# Altium PCB BMS029B.PcbDoc (part 2 of 4) (continued)
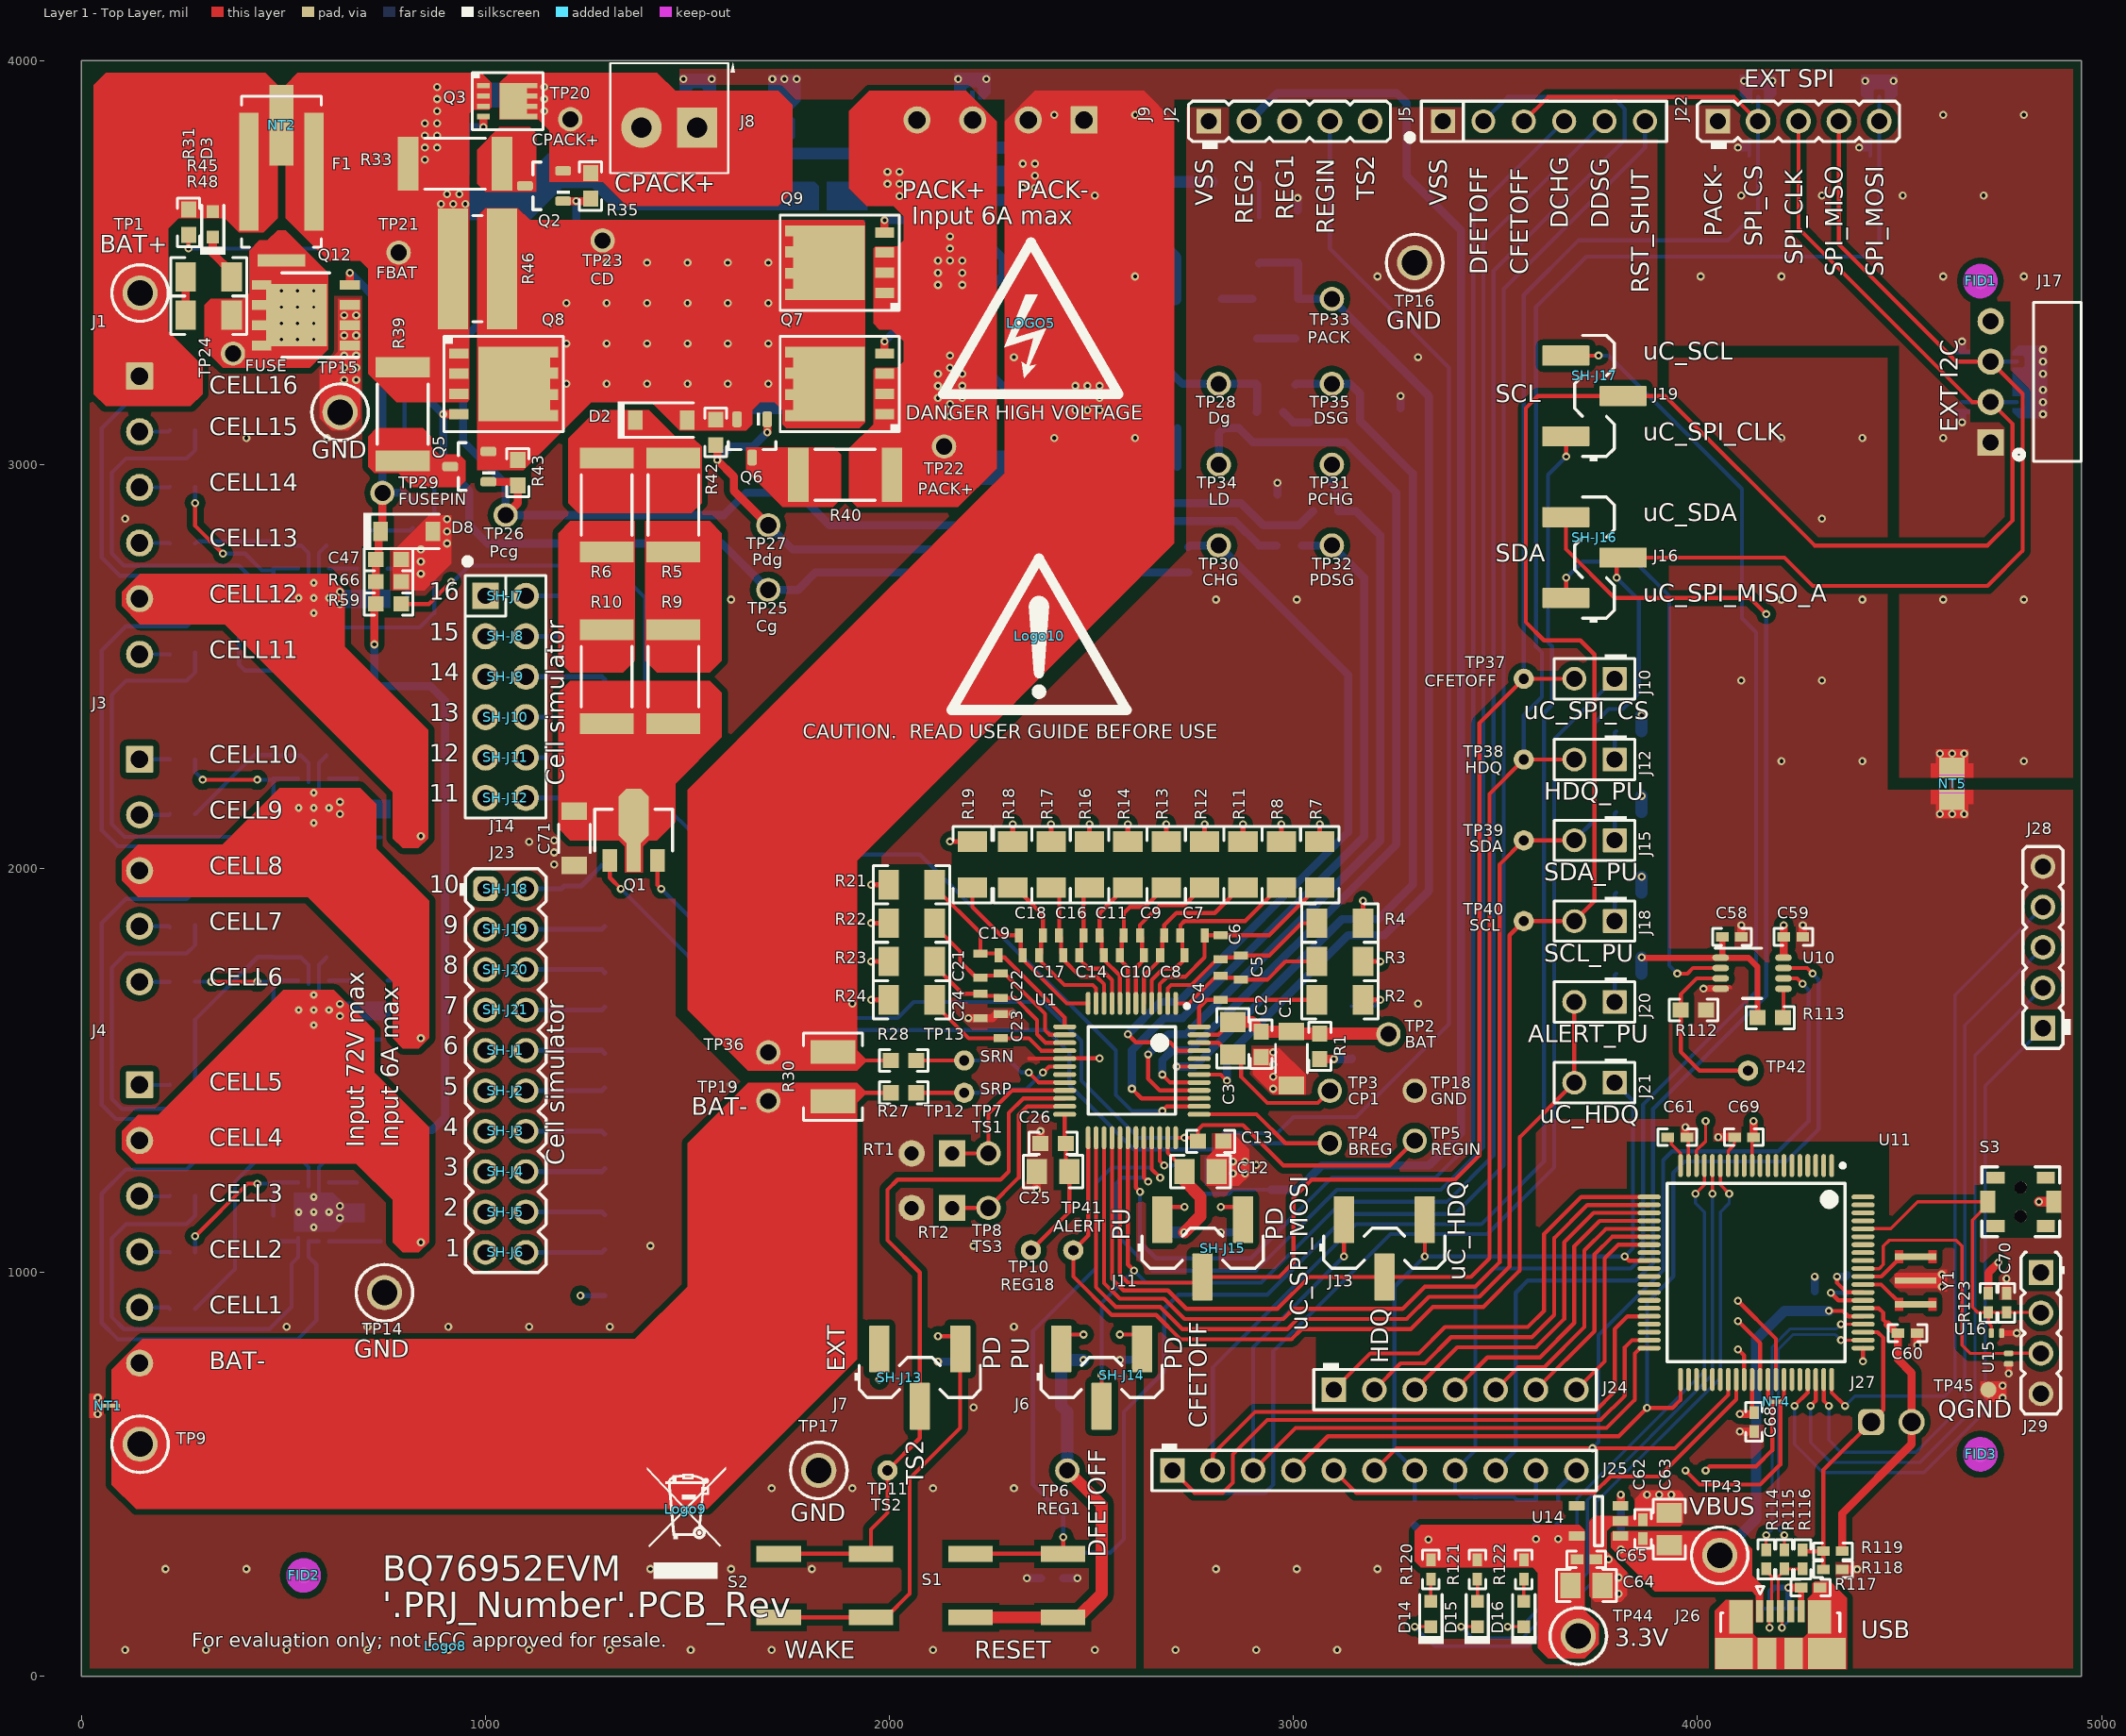
[diagram p0: Layer 1 - Top Layer view]
## Part data (continued)
RT1 RT2: library part CMP-0002341-2, "Thermistor NTC, 10.0k ohm, 1%, Disc, 5x8.4 mm", Manufacturer="SEMITEC Corporation", PartNumber=103AT-2, Power_W=10mW, Supplier Part Number 1=954-103AT-2, Tolerance_%=1%, ComponentLink1Description="Datasheet link", ComponentLink1URL=http://www.semitec.co.jp/english2/products/pdf/AT_Thermistor.pdf, CompType=ThermistorNTC, LatestRevisionDate=09/03/2017, MountType=TH, PackageReference="Disc, 5x8.4 mm", Published=22/09/2009, Publisher="Texas Instruments", RoHS=Y, Series=AT, Supplier 1=Mouser, SymbolVersion=2008-11-25, TaMax_C=110°C, TaMin_C=-50°C, U/M=EA
S1 S2: library part CMP-0002132-2, "Switch, Tactile, SPST-NO, SMT", CurrentRating_mA=50A, Manufacturer="C&K Components", PartNumber=KST221JLFS, Supplier Part Number 1=401-1848-1-ND, Circuit=SPST-NO, ComponentLink1Description="Datasheet URL", ComponentLink1URL=http://www.ck-components.com/index.php?module=media&action=Display&cmpref=14404&lang=en&width=&height=&format=&alt=, CompType=Switch, Green_EU RoHS=Passed, Green_EU RoHS-2=Passed, Green_Lifecycle=Active, Green_REACh=Passed, LatestRevisionDate=2017-03-09, MountType=SMT, Orientation="Top Actuated", PackageReference="Switch, 6.2X5X6.2 mm", PositionCount=1, Publisher="Texas Instruments", RoHS=Y, Supplier 1=Digi-Key, Supplier 2=Mouser, Supplier Part Number 2=611-KST221JLFS, SwitchFunction=Off-Mom, SymbolCreator=a0799628, SymbolVersion=2013-06-10, VDC_V=32V
S3: library part CMP-0002246-2, "Switch, SPST-NO,  Off-Mom, 0.05A, 12VDC, SMD", CurrentRating_mA=50A, Manufacturer="C&K Components", Supplier Part Number 1=CKN10505CT-ND, Circuit=SPST-NO, ComponentLink1Description="Datasheet Link", ComponentLink1URL=http://www.ck-components.com/80184/pts820_4mar13.pdf/, CompType=Switch, LatestRevisionDate=2017-03-09, MountType=SMT, Orientation="Top Actuated", PackageReference=3.9x2.9mm, PartNumber="PTS820 J20M SMTR LFS", PositionCount=1, Publisher="Texas Instruments", RoHS=Y, Supplier 1=Digi-Key, Supplier 2=Mouser, Supplier Part Number 2=611-PTS820J20MSMTR, SwitchFunction=Off-Mom, VDC_V=12V
SH-J1 SH-J2 SH-J3 SH-J4 SH-J5 SH-J6 SH-J7 SH-J8 SH-J9 SH-J10 SH-J11 SH-J12 SH-J13 SH-J14 SH-J15 SH-J16 SH-J17 SH-J18 SH-J19 SH-J20 SH-J21: library part CMP-0003623-3, "Shunt, 100mil, Gold plated, Black", Alternate Manufacturer=3M, Alternate PartNumber=969102-0000-DA, Manufacturer=Samtec, Supplier Part Number 1=SAM8858-ND, ClassName=Shunt, ComponentLink1Description="Datasheet Link", ComponentLink1URL=http://www.samtec.com/ftppub/pdf/SNT.PDF, CompType=Shunt, MountType=N/A, PackageReference=Shunt, PartNumber=SNT-100-BK-G, RoHS=Y, Supplier 1=Digi-Key
TP1: library part CMP-0055147-1, "Test Point, Multipurpose, Red, TH", Color=Red, Manufacturer=Keystone, PartNumber=5010, Supplier Part Number 1=36-5010-ND, CNHeader=FALSE, ComponentLink1Description="Datasheet URL", ComponentLink1URL=http://www.keyelco.com/userAssets/file/M60-2p60.pdf, CompType="Test Point", ContactFinish=Silver, CT=TRUE, Green_EU RoHS=Passed, Green_EU RoHS-2=Incomplete, Green_Lifecycle=Active, Green_REACh=Passed, LatestRevisionDate=26/05/2017, MountType=TH, PackageReference="Red Multipurpose Testpoint", Publisher="Texas Instruments", RoHS=Y, Supplier 1=Digi-Key, Supplier 2=Mouser, Supplier Part Number 2=534-5010
TP2 TP3 TP4 TP5 TP6 TP7 TP8 TP10 TP11 TP12 TP13 TP18 TP19 TP20 TP21 TP22 TP23 TP24 TP25 TP26 TP27 TP28 TP29 TP30 TP31 TP32 TP33 TP34 TP35 TP36 TP37 TP38 TP39 TP40 TP41 TP42: library part CMP-0078143-2, "TEST POINT.  No entry in BOM.", Manufacturer=N/A, CompType=Testpoint, PackageReference=N/A, PartNumber=N/A
TP9: library part CMP-0055148-1, "Test Point, Multipurpose, Black, TH", Color=Black, Manufacturer=Keystone, PartNumber=5011, Supplier Part Number 1=36-5011-ND, CNHeader=FALSE, ComponentLink1Description="Datasheet URL", ComponentLink1URL=http://www.keyelco.com/userAssets/file/M60-2p60.pdf, CompType="Test Point", ContactFinish=Silver, CT=TRUE, Green_EU RoHS=Passed, Green_EU RoHS-2=Incomplete, Green_Lifecycle=Active, Green_REACh=Passed, LatestRevisionDate=26/05/2017, MountType=TH, PackageReference="Black Multipurpose Testpoint", Publisher="Texas Instruments", RoHS=Y, Supplier 1=Digi-Key, Supplier 2=Mouser, Supplier Part Number 2=534-5011
TP14 TP15 TP16 TP17: library part CMP-0055143-1, "Test Point, Compact, Black, TH", Color=Black, Manufacturer=Keystone, Supplier Part Number 1=36-5006-ND, CNHeader=FALSE, ComponentLink1Description="Datasheet URL", ComponentLink1URL=http://www.keyelco.com/userAssets/file/M60-2p60.pdf, CompType="Test Point", ContactFinish=Silver, CT=TRUE, Green_EU RoHS=Passed, Green_EU RoHS-2=Incomplete, Green_Lifecycle=Active, Green_REACh=Passed, LatestRevisionDate=26/05/2017, MountType=TH, PackageReference="Black Compact Testpoint", PartNumber=5006, Publisher="Texas Instruments", RoHS=Y, Supplier 1=Digi-Key, Supplier 2=Mouser, Supplier Part Number 2=534-5006, SymbolVersion=2008-04-04
TP43 TP44: library part CMP-0055142-1, "Test Point, Compact, Red, TH", Color=Red, Manufacturer=Keystone, Supplier Part Number 1=36-5005-ND, CNHeader=FALSE, ComponentLink1Description="Datasheet URL", ComponentLink1URL=http://www.keyelco.com/userAssets/file/M60-2p60.pdf, CompType="Test Point", ContactFinish=Silver, CT=TRUE, Green_EU RoHS=Passed, Green_EU RoHS-2=Passed, Green_Lifecycle=Active, Green_REACh=Passed, LatestRevisionDate=26/05/2017, MountType=TH, PackageReference="Red Compact Testpoint", PartNumber=5005, Publisher="Texas Instruments", RoHS=Y, Supplier 1=Digi-Key, Supplier 2=Mouser, Supplier Part Number 2=534-5005, SymbolVersion=2008-04-04, U/M=EA
TP45: library part CMP-0003825-1, "1mm Test Point, SMT", Manufacturer=Any, PartNumber=TP_SM_1MM, ComponentLink1Description="Datasheet Link", ComponentLink1URL=https://sps06.itg.ti.com/sites/KMS/crossdivteams/altium/docs/ComponentDatasheets/PROBE_TEST_POINT.png, CompType="Test Point", Key=TP_SM_1MM, LatestRevisionDate=2017-03-09, MountType=SMT, PackageReference="1mm Test Point, SMT", Publisher="Texas Instruments", SymbolVersion=2010-10-20
U1: library part CMP-0084229-1, "Multicell Battery Monitor and Protection Family, PFB0048A (TQFP-48)", Alternate Manufacturer="Texas Instruments", Alternate PartNumber=bq76952PFBR, AEC Category=Q200, AEC Qualified=N, ComponentLink1Description="Datasheet Link", ComponentLink1URL=http://www.ti.com/lit/ds/symlink/bq76952.pdf, ComponentLink2Description="Product Folder", ComponentLink2URL=http://www.ti.com/product/bq76952, ComponentLink3Description="Online Datasheet", ComponentLink3URL=http://www.ti.com/product/bq76952/datasheet, CompType=IC, Manufacturer="Texas Instruments", MountType=SMT, PackageDescription=TQFP-48, PackageReference=PFB0048A, PartNumber=bq76952PFBT, SizeArea_mm2=81, SizeAreaWB_mm2=121, SizeX_mm=9, SizeY_mm=9, SizeZ_mm=1.2
U2 U3 U4 U5: library part CMP-0078902-2, "Family 2-5S Overvoltage Protector with Internal Delay Timer, DPJ0008A (WSON-8)", Alternate Manufacturer="Texas Instruments", Alternate PartNumber=BQ771807DPJT, AEC Category=Q200, AEC Qualified=N, ComponentLink1Description="Datasheet Link", ComponentLink1URL=http://www.ti.com/lit/ds/symlink/bq7718.pdf, ComponentLink2Description="Product Folder", ComponentLink2URL=http://www.ti.com/product/bq7718, CompType=IC, Manufacturer="Texas Instruments", MountType=SMT, PackageDescription=WSON-8, PackageReference=DPJ0008A, PartNumber=BQ771807DPJR, RoHS=Y, SizeArea_mm2=12, SizeAreaWB_mm2=20, SizeX_mm=4, SizeY_mm=3, SizeZ_mm=0.8
U6 U7 U8 U9: library part CMP-0043093-3, "Single-Channel ESD in 0402 Package With 10pF Capacitance and 6V Breakdown, DPY0002A (X1SON-2)", Alternate Manufacturer="Texas Instruments", Alternate PartNumber=TPD1E10B06DPYT, Breakdown Voltage(Min)(V)=6, IO Capacitance(Typ)(pF)=10, Operating Temperature Range="-40 to 125 C", Rating=Catalog, AEC Category=Q200, AEC Qualified=N, ComponentLink1Description="Datasheet Link", ComponentLink1URL=http://www.ti.com/lit/ds/symlink/tpd1e10b06.pdf, ComponentLink2Description="Product Folder", ComponentLink2URL=http://www.ti.com/product/tpd1e10b06, ComponentLink3Description="Online Datasheet", ComponentLink3URL=http://www.ti.com/product/tpd1e10b06/datasheet, CompType=IC, Eco-Plan=TBD, Green_EU RoHS=Passed, Green_EU RoHS-2=Passed, Green_Lifecycle=Active, Green_REACh=Passed, IEC 61000-4-2 Air-Gap(+/- kV)=30, IEC 61000-4-2 Contact(+/- kV)=30, IO Leakage Current(nA)=10, Manufacturer="Texas Instruments", MountType=SMT, PackageDescription=X1SON-2, PackageReference=DPY0002A, PartNumber=TPD1E10B06DPYR, RoHS=Y, SizeArea_mm2=0.6, SizeAreaWB_mm2=3.2, SizeX_mm=1.0, SizeY_mm=0.6, SizeZ_mm=0.45
U10: library part CMP-0051048-2, "Dual-Bit Dual Supply Transceiver with Configurable Voltage Translation and 3-State Outputs, DCT0008A, LARGE T&R", F @ Nom Voltage(Max)(Mhz)=150, Generic Part Number=SN74LVC2T45, ICC @ Nom Voltage(Max)(mA)=0.004, Manufacturer="Texas Instruments", Operating Temperature Range(C)="-40 to 85", Rating=Military, tpd @ Nom Voltage(Max)(ns)=17.7,10.3,8.3,7.2, Voltage(Nom)(V)=1.8,2.5,3.3,5, 3-State Output=Yes, AEC Category=Q200, AEC Qualified=N, Bits(#)=2, ComponentLink1Description="Datasheet Link", ComponentLink1URL=http://www.ti.com/lit/ds/symlink/sn74lvc2t45.pdf, ComponentLink2Description="Product Folder", ComponentLink2URL=http://www.ti.com/product/sn74lvc2t45, CompType=IC, DatasheetVersion=SCES516J, Input Type=CMOS/TTL, Logic=True, MountType=SMT, Output Drive (IOL/IOH)(Max)(mA)=32/-32, Output Type=CMOS, PackageDescription=SSOP-8, PackageReference=DCT0008A, PartNumber=SN74LVC2T45DCTR, RoHS=Y, Schmitt Trigger=No, SizeArea_mm2=11.2, SizeAreaWB_mm2=19, SizeX_mm=4, SizeY_mm=2.8, SizeZ_mm=1.3, Sub-Family="Dual Supply Translator", Technology Family=LVC, VCC(Max)(V)=5.5, VCC(Min)(V)=1.65
U11: "25 MHz Mixed Signal Microcontroller with 128 KB Flash, 8192 B SRAM and 63 GPIOs, -40 to 85 degC, 80-pin QFP (PN), Green (RoHS & no Sb/Br)", Frequency(MHz)=25, Manufacturer="Texas Instruments", PartNumber=MSP430F5529IPN, Temp Sensor=Yes, ADC="12-bit SAR", ADC Channels=16, Brown Out Reset=Yes, Code_JEDEC=MS-018, Comparators=Yes, ComponentLink1Description="Manufacturer URL", ComponentLink1URL=http://www.ti.com/, ComponentLink2Description=Datasheet, ComponentLink2URL=http://www.ti.com/general/docs/lit/getliterature.tsp?genericPartNumber=MSP430F5529&fileType=pdf, ComponentLink3Description="Package Specification", ComponentLink3URL=http://www.ti.com/lit/ml/mtqf010a/mtqf010a.pdf, DatasheetVersion=SLAS590I, DMA=3, Eco-Plan="Green (RoHS & no Sb/Br)", Flash(KB)=128, GPIO=63, Mounting Technology="Surface Mount", Multiplier=32x32, PackageDescription="80-Pin Plastic Quad Flat Pack, Body 12 x 12 mm, Pitch 0.5 mm", PackageReference=PN0080A, Real-Time Clock=Yes, SRAM(B)=8192, SubFamily="5 Series", SVS=Yes, Timers - 16-bit=4, USB=1, USCI_A (UART/LIN/IrDA/SPI)=2, USCI_B (I2C & SPI)=2, Watchdog=Yes
U12 U13 U15 U16: library part CMP-0043094-3, "Single-Channel ESD in 0402 Package With 10pF Capacitance and 6V Breakdown, DPY0002A (X1SON-2)", Alternate Manufacturer="Texas Instruments", Alternate PartNumber=TPD1E10B06DPYR, Breakdown Voltage(Min)(V)=6, IO Capacitance(Typ)(pF)=10, Operating Temperature Range="-40 to 125 C", Rating=Catalog, AEC Category=Q200, AEC Qualified=N, ComponentLink1Description="Datasheet Link", ComponentLink1URL=http://www.ti.com/lit/ds/symlink/tpd1e10b06.pdf, ComponentLink2Description="Product Folder", ComponentLink2URL=http://www.ti.com/product/tpd1e10b06, ComponentLink3Description="Online Datasheet", ComponentLink3URL=http://www.ti.com/product/tpd1e10b06/datasheet, CompType=IC, Eco-Plan=TBD, IEC 61000-4-2 Air-Gap(+/- kV)=30, IEC 61000-4-2 Contact(+/- kV)=30, IO Leakage Current(nA)=10, Manufacturer="Texas Instruments", MountType=SMT, PackageDescription=X1SON-2, PackageReference=DPY0002A, PartNumber=TPD1E10B06DPYT, RoHS=Y, SizeArea_mm2=0.6, SizeAreaWB_mm2=3.2, SizeX_mm=1.0, SizeY_mm=0.6, SizeZ_mm=0.45
U14: "Single Output LDO, 150 mA, Fixed 3.3 V Output, 2.7 to 10 V Input, with Low IQ, 5-pin SOT-23 (DBV), -40 to 125 degC, Green (RoHS & no Sb/Br)", Manufacturer="Texas Instruments", PartNumber=TPS76333DBVR, Accuracy(%)=3, Code_JEDEC=MO-178, ComponentLink1Description="Manufacturer URL", ComponentLink1URL=http://www.ti.com/, ComponentLink2Description=Datasheet, ComponentLink2URL=http://www.ti.com/general/docs/lit/getliterature.tsp?genericPartNumber=TPS76333&fileType=pdf, ComponentLink3Description="Package Specification", ComponentLink3URL=http://www.ti.com/litv/pdf/mpds018i, DatasheetVersion=SLVS181H, Eco-Plan="Green (RoHS & no Sb/Br)", Fixed Output Options(V)=3.3, Iout(Max)(A)=0.15, Iq(Typ)(mA)=0.08, Mounting Technology="Surface Mount", PackageDescription="5-Pin Plastic Small Outline, Body 1.60 Ã— 2.90 mm, Pitch 0.95 mm", PackageReference=DBV0005A, PackageVersion=4073253-4/K, SubFamily="Single Channel LDO", Vdo(Typ)(mV)=300, Vin(Max)(V)=10, Vin(Min)(V)=2.7, Vout Adj(Max)(V)=3.3, Vout Adj(Min)(V)=3.3
Y1: library part CMP-0084387-1, "Resonator, 4 MHz, 39 pF, AEC-Q200 Grade 1, SMD", Frequency_Fixed=4MHz, Load Capacitance="39 pF", Manufacturer=MuRata, AEC Category=Q200, AEC Grade=1, AEC Qualified=Y, ComponentLink1Description="Datasheet Link", ComponentLink1URL=https://www.murata.com/~/media/webrenewal/support/library/catalog/products/timingdevice/ceralock/p16e.ashx, CompType=Resonator, MountType=SMT, PackageReference="4.5x1.2x2 mm", PartNumber=CSTCR4M00G55B-R0, RoHS=Y, SizeArea_mm2=9, SizeAreaWB_mm2=16.5, SizeX_mm=4.5, SizeY_mm=2, SizeZ_mm=1.2, TaMax_C=125°C, TaMin_C=-40°C
ZZ1: library part CMP-0077236-1, ClassName=AssemblyNote, CompType=AssemblyNote, Key=AssemblyNote, LatestRevisionDate=2017-08-10, Publisher="Texas Instruments"
ZZ2: library part CMP-0077237-1, ClassName=AssemblyNote, CompType=AssemblyNote, Key=AssemblyNote, LatestRevisionDate=2017-08-10, Publisher="Texas Instruments"
ZZ3: library part CMP-0077238-1, ClassName=AssemblyNote, CompType=AssemblyNote, Key=AssemblyNote, LatestRevisionDate=2017-08-10, Publisher="Texas Instruments"

## Via types
v1: diameter 20, hole 10, Layer 1 - Top Layer to Layer 4 - Bottom Layer, tented both sides, 376 vias
v2: diameter 19.68, hole 7.87, Layer 1 - Top Layer to Layer 4 - Bottom Layer, tented both sides, 32 vias

## Nets (pads, with @x,y where several pads share a name; then routed paths per layer and width w, separated by ;. In a path a pad name is that pad's centre, name@x,y a point inside that pad or via, vN(x,y) a via of type N, cw(c..) or ccw(c..) an arc to the next point about the centre after c; other vN are vias at no path point)
1P: J4.5 J23.19 R23.1 R86.1 | length 2446.3
  Layer 1 - Top Layer w12: v1(1955,1770) R23.1@1997.91,1770
  Layer 3 - Signal w10: J4.5@143.94,913.31 573.31,913.31 710,1050 J23.19@1000,1050
  Layer 3 - Signal w12: J23.19@1000,1050 1050,1000 1390,1000 1795,1405 1795,1610 v1(1955,1770)
  Layer 4 - Bottom Layer w10: J4.5@143.94,913.31 215.2,913.31 R86.1@218.5,910
2P: J4.4 J23.17 R22.1 R85.1 | length 2307.5
  Layer 1 - Top Layer w12: v1(1955,1865) R22.1@1997.91,1865
  Layer 3 - Signal w10: J4.4@143.94,1051.1 634.8,1051.1 733.7,1150 J23.17@1000,1150 1050,1100 1140,1100 1905,1865 v1(1955,1865)
  Layer 4 - Bottom Layer w10: J4.4@143.94,1051.1 217.4,1051.1 R85.1@218.5,1050
3.3V: C59.2 C64.1 C65.1 C68.1 C69.1 R109.1 R110.1 R111.1 R120.2 R121.2 R122.2 R123.2 TP44.1 U10.8 U11.11 U11.18 U11.50 U14.5 | length 630.6
  Layer 1 - Top Layer w8: U11.18@3997.36,1264.76 3997.36,1302.36 4020,1325 v1(4020,1375) ; U11.11@4135.16,1264.76 4135.16,1331.54 C69.1@4138.62,1335
  Layer 1 - Top Layer w10: U11.50@4135.16,735.24 4135.16,658.46 C68.1@4140,653.62
  Layer 1 - Top Layer w20: v1(4105,650) 4136.38,650 C68.1@4140,653.62 ; C69.1@4138.62,1335 v1(4138.62,1375) ; U10.8@4213.38,1783 C59.2@4213.38,1831 v1(4213.38,1860) ; R123.2@4720,948.62 4720,1000 v1(4745,1025)
  Layer 4 - Bottom Layer w20: R111.1@3300,373.5 v1(3334.25,339.25) ; v1(3600,340) R110.1@3600,373.5 ; v1(3655,340) R109.1@3655,373.5
3P: J4.3 J23.15 R21.1 R84.1 | length 2289.8
  Layer 1 - Top Layer w12: v1(1955,1960) R21.1@1997.91,1960
  Layer 3 - Signal w10: J4.3@143.94,1188.9 496.06,1188.9 557.17,1250 J23.15@1000,1250 1050,1200 1140,1200 1900,1960 v1(1955,1960)
  Layer 4 - Bottom Layer w10: J4.3@143.94,1188.9 217.4,1188.9 R84.1@218.5,1190
4P: C49.1 C52.1 J4.2 J23.13 R19.1 R79.1 R81.1 R83.1 U4.7 U4.9 | length 2661
  Layer 1 - Top Layer w12: v1(2150,2067.09) R19.1@2205,2067.09
  Layer 3 - Signal w10: J4.2@143.94,1326.69 491.69,1326.69 515,1350 J23.13@1000,1350 1050,1300 1138.74,1300 1905.83,2067.09 v1(2150,2067.09)
  Layer 4 - Bottom Layer w10: J4.2@143.94,1326.69 216.81,1326.69 R83.1@218.5,1325 ; v2(575,1650) 587.8,1662.8 U4.7@587.8,1722.83 587.8,1761.3 C52.1@606.5,1780
  Layer 4 - Bottom Layer w20: R81.1@806.5,1075 v1(840,1075)
  other v1: 640,1635 640,1665
  other v2: 575,1612.6 537.6,1650 612.4,1650 575,1687.4
5P: J4.1 J23.11 R18.1 R78.1 | length 2636.8
  Layer 1 - Top Layer w12: R18.1@2305,2067.09 v1(2305,2110)
  Layer 3 - Signal w10: J4.1@143.94,1464.49 490.51,1464.49 505,1450 J23.11@1000,1450 1050,1400 1141.26,1400 1896.26,2155 2260,2155 v1(2305,2110)
  Layer 4 - Bottom Layer w10: J4.1@143.94,1464.49 217.99,1464.49 R78.1@218.5,1465
6P: J3.5 J23.9 R17.1 R75.1 | length 2779.5
  Layer 1 - Top Layer w12: R17.1@2400,2067.09 v1(2400,2110)
  Layer 3 - Signal w10: J3.5@143.94,1719.41 313.35,1550 J23.9@1000,1550 1050,1500 1140,1500 1825,2185 2325,2185 v1(2400,2110)
  Layer 4 - Bottom Layer w10: J3.5@143.94,1719.41 217.91,1719.41 R75.1@218.5,1720
7P: J3.4 J23.7 R16.1 R72.1 | length 2874.2
  Layer 1 - Top Layer w12: R16.1@2495,2067.09 v1(2495,2110)
  Layer 3 - Signal w10: J3.4@143.94,1857.2 532.8,1857.2 740,1650 J23.7@1000,1650 1050,1600 1140,1600 1755,2215 2390,2215 v1(2495,2110)
  Layer 4 - Bottom Layer w10: J3.4@143.94,1857.2 216.3,1857.2 R72.1@218.5,1855
8P: C41.1 C46.1 J3.3 J23.5 R14.1 R58.1 R67.1 R69.1 U3.7 U3.9 | length 3144
  Layer 1 - Top Layer w12: R14.1@2590,2067.09 v1(2590,2110)
  Layer 3 - Signal w10: J3.3@143.94,1995 463.5,1995 708.5,1750 J23.5@1000,1750 1050,1700 1135,1700 1680,2245 2455,2245 v1(2590,2110)
  Layer 4 - Bottom Layer w10: J3.3@143.94,1995 R69.1@218.5,1995 ; v2(575,2150) 587.8,2162.8 U3.7@587.8,2222.83 587.8,2261.3 C46.1@606.5,2280
  Layer 4 - Bottom Layer w20: R67.1@806.5,1580 v1(840,1580)
  other v1: 640,2135 640,2165
  other v2: 575,2112.6 537.6,2150 612.4,2150 575,2187.4
9P: J3.2 J23.3 R13.1 R54.1 | length 3062.4
  Layer 1 - Top Layer w12: R13.1@2685,2067.09 v1(2685,2110)
  Layer 3 - Signal w10: J3.2@143.94,2132.8 402.2,2132.8 685,1850 J23.3@1000,1850 1050,1800 1131.93,1800 1606.93,2275 2520,2275 v1(2685,2110)
  Layer 4 - Bottom Layer w10: J3.2@143.94,2132.8 216.3,2132.8 R54.1@218.5,2135
10P: J3.1 J23.1 R12.1 R53.1 | length 3220.3
  Layer 1 - Top Layer w12: R12.1@2780,2067.09 v1(2780,2110)
  Layer 3 - Signal w10: J3.1@143.94,2270.59 679.41,2270.59 753.33,2196.67 753.33,2086.67 840,2000 950,2000 J23.1@1000,1950 1050,1900 1135,1900 1540,2305 2585,2305 v1(2780,2110)
  Layer 4 - Bottom Layer w10: J3.1@143.94,2270.59 217.91,2270.59 R53.1@218.5,2270
11P: J1.6 J14.11 R11.1 R49.1 | length 3196.9
  Layer 1 - Top Layer w12: R11.1@2875,2067.09 v1(2875,2110)
  Layer 3 - Signal w10: J1.6@143.94,2530.51 344.45,2330 695,2330 850,2175 J14.11@1000,2175 1050,2125 1162.09,2125 1372.09,2335 2650,2335 v1(2875,2110)
  Layer 4 - Bottom Layer w10: J1.6@143.94,2530.51 217.99,2530.51 R49.1@218.5,2530
12P: C32.1 C39.1 J1.5 J14.9 R8.1 R38.1 R41.1 R47.1 U2.7 U2.9 | length 3468
  Layer 1 - Top Layer w12: R8.1@2970,2067.09 v1(2970,2110)
  Layer 3 - Signal w10: J1.5@143.94,2668.31 432.24,2380 723.9,2380 828.9,2275 J14.9@1000,2275 1050,2225 1150,2225 1290,2365 2715,2365 v1(2970,2110)
  Layer 4 - Bottom Layer w10: J1.5@143.94,2668.31 216.81,2668.31 R47.1@218.5,2670 ; v2(575,2670) 587.8,2682.8 U2.7@587.8,2742.83 587.8,2781.3 C39.1@606.5,2800
  Layer 4 - Bottom Layer w20: R41.1@806.5,2080 v1(840,2080)
  other v1: 640,2655 640,2685
  other v2: 575,2632.6 537.6,2670 612.4,2670 575,2707.4
13P: J1.4 J14.7 R7.1 R37.1 | length 3385.3
  Layer 1 - Top Layer w12: R7.1@3065,2067.09 v1(3065,2110)
  Layer 3 - Signal w10: J1.4@143.94,2806.1 520.04,2430 755,2430 810,2375 J14.7@1000,2375 1050,2325 1170,2325 1240,2395 2780,2395 v1(3065,2110)
  Layer 4 - Bottom Layer w10: J1.4@143.94,2806.1 217.4,2806.1 R37.1@218.5,2805
14P: J1.3 J14.5 R4.1 R36.1 | length 3714.5
  Layer 1 - Top Layer w12: R4.1@3172.09,1865 v1(3172.09,1920)
  Layer 3 - Signal w10: J1.3@143.94,2943.9 240,2847.83 240,2790 555,2475 J14.5@1000,2475 1050,2425 2835,2425 3172.09,2087.91 v1(3172.09,1920)
  Layer 4 - Bottom Layer w10: J1.3@143.94,2943.9 217.4,2943.9 R36.1@218.5,2945
15P: J1.2 J14.3 R3.1 R34.1 | length 3950.9
  Layer 1 - Top Layer w12: R3.1@3172.09,1770 v1(3215,1770)
  Layer 3 - Signal w10: J1.2@143.94,3081.69 255.63,2970 439.21,2970 728.5,2680.71 728.5,2626.5 780,2575 J14.3@1000,2575 1050,2525 1175,2525 1245,2455 2847.43,2455 3215,2087.43 v1(3215,1770)
  Layer 4 - Bottom Layer w10: J1.2@143.94,3081.69 215.2,3081.69 R34.1@218.5,3085
16P: D1.2 D3.2 F1.1 J1.1 J14.1 NT2.2 R2.1 R31.1 R32.1 TP1.1 | length 4204.5
  Layer 1 - Top Layer w12: R2.1@3172.09,1675 v1(3215,1675)
  Layer 3 - Signal w10: J1.1@143.94,3219.49 338.43,3025 465,3025 815,2675 J14.1@1000,2675 1050,2625 1175.32,2625 1315.32,2485 2859.85,2485 3255,2089.85 3255,1715 v1(3215,1675)
  Layer 4 - Bottom Layer w10: J1.1@143.94,3219.49 217.99,3219.49 R32.1@218.5,3220 ; D1.2@3145,1659.47 3199.47,1659.47 v1(3215,1675)
ALERT: J20.2 J21.2 TP41.1 U1.25 | length 2319.4
  Layer 1 - Top Layer w10: U1.25@2491.73,1333.66 2491.73,1091.73 TP41.1@2455,1055 2455,990 2550,895 2660,895 2720,835 2995,835 3020,860 3290,860 3345,915 3470,915 3560,1005 3560,1335 J21.2@3695,1470 J20.2@3695,1670
BAT-: J4.6 NT1.2 R24.1 R27.1 R30.2 R108.1 TP9.1 TP19.1 | length 2480.1
  Layer 1 - Top Layer w10: 1930,1445 R27.1@2003.5,1445
  Layer 1 - Top Layer w12: v1(1955,1675) R24.1@1997.91,1675
  Layer 3 - Signal w10: J4.6@143.94,775.51 745.51,775.51 912.91,942.91 v1(1235,942.91) 1427.91,942.91 1860,1375 1860,1580 v1(1955,1675)
  Layer 4 - Bottom Layer w12: v1(1235,942.91) R108.1@1295,942.91
BREG: Q1.1 TP4.1 U1.37 | length 2510.2
  Layer 1 - Top Layer w10: Q1.1@1307.6,2020.2 1307.6,1977.4 v1(1335,1950) ; U1.37@2766.34,1391.73 2908.27,1391.73 2980,1320 TP4.1@3090,1320
  Layer 4 - Bottom Layer w10: v1(1335,1950) 1685,1600 2390,1600 2445,1545 2445,1465 2605,1305 2865,1305 2880,1320 TP4.1@3090,1320
CD: D2.2 Q5.2 Q6.2 Q7.5 Q7.6 Q7.7 Q7.8 Q7.9 Q8.5 Q8.6 Q8.7 Q8.8 Q8.9 Q9.5 Q9.6 Q9.7 Q9.8 Q9.9 R42.1 R43.1 R46.2 TP23.1
  other v1: 1200,3200 1300,3200 1400,3200 1500,3200 1600,3200 1700,3200 1200,3300 1300,3300 1400,3300 1500,3300 1600,3300 1700,3300 1200,3400 1300,3400 1400,3400 1500,3400 1600,3400 1700,3400 1300,3500 1400,3500 1500,3500 1600,3500 1700,3500
CFETOFF: E3.1 J5.3 J10.2 J11.2 J22.2 TP37.1 U1.29 U6.1 | length 5338.2
  Layer 1 - Top Layer w10: U1.29@2570.47,1333.66 2570.47,994.53 2590,975 2760.87,975 J11.2@2775,989.14 2964.14,989.14 3000,1025 3000,1185 3045,1230 3400,1230 3460,1290 3460,2360 TP37.1@3570,2470 J10.2@3695,2470 ; J5.3@3570,3850 3630,3910 4090,3910 J22.2@4150,3850
  Layer 4 - Bottom Layer w10: TP37.1@3570,2470 3570,3420 3705,3555 4075,3555 4149.8,3629.8 U6.1@4149.8,3785 4149.8,3849.8 J22.2@4150,3850 E3.1@4150,3910
CHG: R61.1 TP30.1 U1.45 | length 1864.3
  Layer 1 - Top Layer w10: v1(2590,1590) 2610,1570 2694.21,1570 2715,1549.21 U1.45@2766.34,1549.21
  Layer 4 - Bottom Layer w20: v1(2590,1590) 2670,1670 2715,1670 3135,2090 3135,2480 TP30.1@2815,2800 2743.5,2800 R61.1@2740,2796.5
CPACK+: C30.1 C34.1 E1.1 J8.1 J8.2 Q2.2 Q3.5 Q3.6 Q3.7 Q3.8 Q3.9 R35.1 R71.1 TP20.1 | length 2629
  Layer 4 - Bottom Layer w30: 1649,3770 1616,3803 1649,3770 ; 1649,3770 2055,3770 ; 1649,3770 2055,3770 ; 2055,3770 2170,3655 ; 2055,3770 2170,3655 ; 2170,3655 2285,3655 ; 2170,3655 2285,3655 ; 2285,3655 2365,3575 ; 2285,3655 2365,3575 ; 2365,3575 2645,3575 ; 2365,3575 2645,3575 ; 2645,3575 2707.91,3512.09 ; 2645,3575 2707.91,3512.09 ; 2707.91,3512.09 R71.1@2707.91,3410 2707.91,3512.09
  other v1: 1145,3875 1145,3905 1145,3935
DCHG: J5.4 U1.31 | length 3841.2
  Layer 1 - Top Layer w10: U1.31@2609.84,1333.66 2609.84,1210.16 v1(2620,1200)
  Layer 4 - Bottom Layer w10: v1(2620,1200) 2620,1075 2660,1035 2895,1035 3095,1235 3352.43,1235 3445,1327.57 3445,3625 J5.4@3670,3850
DDSG: J5.5 U1.32 | length 4066
  Layer 1 - Top Layer w10: U1.32@2629.53,1333.66 2629.53,1235.47 v1(2640,1225)
  Layer 4 - Bottom Layer w10: v1(2640,1225) 2630,1235 2575,1235 2560,1220 2560,1095.28 2650.28,1005 2907.43,1005 3107.43,1205 3364.85,1205 3470,1310.15 3470,3550 J5.5@3770,3850
DFETOFF: J5.2 J6.2 U1.30 | length 4848.6
  Layer 1 - Top Layer w10: J6.2@2525,669.14 v1(2525,745) ; U1.30@2590.16,1333.66 2590.16,1019.84 v1(2605,1005)
  Layer 4 - Bottom Layer w10: v1(2525,745) 2525,925 v1(2605,1005) 2635,975 2920,975 3120,1175 3380,1175 3495,1290 3495,3480 3820,3805 3820,3880 3790,3910 3530,3910 J5.2@3470,3850
DM: R114.2 U11.64 | length 756.7
  Layer 1 - Top Layer w7: R114.2@4170,313.62 v1(4170,350) ; v1(4355,872.05) U11.64@4409.76,872.05
  Layer 4 - Bottom Layer w7: v1(4170,350) 4185,365 4185,816.21 4229.79,861 4343.95,861 v1(4355,872.05)
DP: R115.2 U11.62 | length 732.8
  Layer 1 - Top Layer w7: R115.2@4215,313.62 v1(4215,350) ; v1(4355,832.68) U11.62@4409.76,832.68
  Layer 4 - Bottom Layer w7: v1(4215,350) 4200,365 4200,810 4236,846 4341.68,846 v1(4355,832.68)
DSG: D9.1 D10.1 R68.1 TP35.1 U1.43 | length 2267.9
  Layer 1 - Top Layer w10: v1(2710,1509.84) U1.43@2766.34,1509.84
  Layer 4 - Bottom Layer w20: v1(2710,1509.84) 2755,1509.84 3120.16,1875 3210,1875 3295,1960 3295,2978 3164.47,3108.53 3164.47,3175.53 3140,3200 TP35.1@3095,3200 3007.09,3200 R68.1@3005,3197.91
EXTTS2: J2.5 J7.1 | length 5236.3
  Layer 1 - Top Layer w10: v1(1975.01,735.01) J7.1@1975,810.87
  Layer 3 - Signal w10: v1(1975.01,735.01) 2075.02,635 2500,635 2690,825 3325,825 3905,1405 3905,3355 3490,3770 3270,3770 J2.5@3190,3850
FBAT: C29.2 C37.2 D4.2 F1.3 NT2.1 Q3.1 Q3.2 Q3.3 Q8.1 Q8.2 Q8.3 R33.1 R39.1 R46.1 R50.1 TP21.1
  other v1: 890,3645 920,3645 950,3645 905,3670 935,3670 850,3755 850,3785 880,3785 850,3815 880,3815 850,3845 880,3845 880,3875 880,3905 880,3935
FUSE: R59.2 U1.38 | length 2915.5
  Layer 1 - Top Layer w10: R59.2@791.5,2655 860,2655 v1(915,2710) ; v1(2675,1400) 2686.42,1411.42 U1.38@2766.34,1411.42
  Layer 4 - Bottom Layer w10: v1(915,2710) 920,2710 960,2750 1315.94,2750 1395,2670.94 1395,2205 1565,2035 2075,2035 2560,1550 2560,1440 2600,1400 v1(2675,1400)
HDQ: E5.1 J12.2 J13.2 J22.5 TP38.1 U1.28 U8.1 | length 5179.6
  Layer 1 - Top Layer w10: U1.28@2550.79,1333.66 2550.79,984.21 2579.49,955.51 2689.49,955.51 2735,910 2960,910 3039.13,989.13 J13.2@3225,989.13 3439.13,989.13 3485,1035 3485,2185 TP38.1@3570,2270 J12.2@3695,2270
  Layer 4 - Bottom Layer w10: TP38.1@3570,2270 3570,2380 3615,2425 3615,2535 3600,2550 3600,3390 3725,3515 4410,3515 4449.8,3554.8 U8.1@4449.8,3785 4449.8,3849.8 J22.5@4450,3850 E5.1@4450,3910
LD: D12.1 R76.2 TP34.1 U1.41 | length 2395.2
  Layer 1 - Top Layer w10: v1(2675,1490) 2694.53,1470.47 U1.41@2766.34,1470.47
  Layer 4 - Bottom Layer w20: v1(2675,1490) 2675,1525 2700,1550 2745,1550 3255,2060 3255,2930 3130,3055 2900,3055 2865,3090 R76.2@2827.09,3090 2815,3077.91 TP34.1@2815,3000
LED1: D14.1 U11.15 | length 1746.4
  Layer 1 - Top Layer w8: v1(3300,123.5) D14.1@3340,123.5 ; U11.15@4056.42,1264.76 4056.42,1217.05 v1(4078.46,1195)
  Layer 4 - Bottom Layer w8: v1(3300,123.5) 3348.5,75 3581.56,75 3750,243.44 3750,432 4057,739 4057,1150 4078.46,1171.46 v1(4078.46,1195)
LED2: D15.1 U11.16 | length 1568
  Layer 1 - Top Layer w8: v1(3415,123.5) D15.1@3455,123.5 ; v1(4036.73,1195) U11.16@4036.73,1264.76
  Layer 4 - Bottom Layer w8: v1(3415,123.5) 3443.5,95 3566.56,95 3727.28,255.73 3727.28,437.57 4037,747.28 v1@4037,1195
LED3: D16.1 U11.17 | length 1420.9
  Layer 1 - Top Layer w8: v1(3530,123.5) D16.1@3570,123.5 ; v1(3995,1195) 4017.05,1217.05 U11.17@4017.05,1264.76
  Layer 4 - Bottom Layer w8: v1(3530,123.5) 3563.5,123.5 3702.28,262.28 3702.28,440.85 4017,755.57 4017,1150 3995,1172 v1(3995,1195)
NetC1_1: C1.1 C2.1 C3.1 R1.1 TP2.1 U1.47 | length 494.5
  Layer 1 - Top Layer w10: U1.47@2766.34,1588.58 2813.58,1588.58 2845,1620 C3.1@2850,1620
  Layer 1 - Top Layer w30: C3.1@2850,1620 2896.5,1620 C2.1@2920,1596.5 2994.57,1596.5 C1.1@2995,1596.93 3000.43,1591.5 R1.1@3065,1591.5 3233.5,1591.5 TP2.1@3235,1590
NetC3_2: C3.2 TP3.1 U1.46 | length 418.3
  Layer 1 - Top Layer w10: U1.46@2766.34,1568.9 2814.1,1568.9 2843,1540 C3.2@2850,1540 2870,1520 2870,1485 2935,1420 3060,1420 TP3.1@3090,1450
NetC25_2: C25.2 C26.1 TP10.1 U1.24 | length 380.8
  Layer 1 - Top Layer w10: TP10.1@2350,1055 2445,1150 C25.2@2445,1250 2436.5,1258.5 C26.1@2436.5,1320 2433.66,1322.83 U1.24@2433.66,1391.73
NetC29_1: C29.1 C30.2
NetC31_1: C31.1 C33.2 R34.2 U2.4 | length 1150.2
  Layer 4 - Bottom Layer w10: R34.2@281.5,3085 281.5,3036.5 260,3015 110,3015 75,2980 75,2780 105,2750 390,2750 420,2720 420,2615 436.5,2598.5 C33.2@475,2598.5 ; C33.2@475,2597.17 U2.4@536.61,2597.17 ; C31.1@518.5,2540 536.61,2558.11 U2.4@536.61,2597.17 ; U2.4@536.61,2606 U2.4@536.61,2597.17
NetC31_2: C31.2 R32.2 U2.2 U2.3 | length 1527.9
  Layer 4 - Bottom Layer w10: R32.2@281.5,3220 281.5,3171.5 260,3150 110,3150 50,3090 50,2770 95,2725 370,2725 390,2705 390,2505 405,2490 565,2490 581.5,2506.5 C31.2@581.5,2540 562.2,2559.29 U2.3@562.2,2597.17 ; U2.3@563,2597.17 U2.2@587,2597.17
NetC32_2: C32.2 R31.2 U2.1 | length 1705.9
  Layer 1 - Top Layer w10: v1(265,3535) R31.2@265,3568.5
  Layer 4 - Bottom Layer w10: v1(265,3535) 680,3535 800,3415 800,3030 873,2957 873,2633 837.17,2597.17 U2.1@612.4,2597.17
NetC33_1: C33.1 C35.2 R36.2 U2.5 | length 474.2
  Layer 1 - Top Layer w10: v1(281.5,2905) 281.5,2848.5 v1(350,2780)
  Layer 4 - Bottom Layer w10: v1(281.5,2905) R36.2@281.5,2945 ; v1(350,2780) 405,2780 446.5,2738.5 C35.2@475,2738.5 C33.1@475,2661.5 ; C35.2@475,2742.83 U2.5@536.61,2742.83
NetC34_2: C34.2 C36.1
NetC35_1: C35.1 C39.2 R37.2 U2.6 | length 342
  Layer 4 - Bottom Layer w10: R37.2@281.5,2805 286.5,2810 466.5,2810 C35.1@475,2801.5 476.5,2800 C39.2@543.5,2800 562.2,2781.3 U2.6@562.2,2734
NetC37_1: C37.1 C38.2
NetC40_1: C40.1 C43.2 R49.2 U3.4 | length 1146.6
  Layer 4 - Bottom Layer w10: R49.2@281.5,2535 281.5,2486.5 260,2465 110,2465 75,2430 75,2110 106.5,2078.5 C43.2@475,2078.5 ; C43.2@475,2077.17 U3.4@536.61,2077.17 ; C40.1@518.5,2020 536.61,2038.11 U3.4@536.61,2077.17 ; U3.4@536.61,2086 U3.4@536.61,2077.17
NetC40_2: C40.2 R47.2 U3.2 U3.3 | length 1471.5
  Layer 4 - Bottom Layer w10: R47.2@281.5,2670 281.5,2621.5 260,2600 110,2600 50,2540 50,2095 90,2055 320,2055 405,1970 565,1970 581.5,1986.5 C40.2@581.5,2020 562.2,2039.29 U3.3@562.2,2077.17 ; U3.3@563,2077.17 U3.2@587,2077.17
NetC41_2: C41.2 R41.2 U3.1 | length 128.2
  Layer 4 - Bottom Layer w10: U3.1@612.4,2077.17 R41.2@740.57,2077.17
NetC42_2: C42.2 C45.1
NetC43_1: C43.1 C44.2 R53.2 U3.5 | length 371.9
  Layer 1 - Top Layer w10: v1(300,2220) v1(435,2220)
  Layer 4 - Bottom Layer w10: R53.2@281.5,2270 281.5,2238.5 v1(300,2220) ; v1(435,2220) 473.5,2220 C44.2@475,2218.5 C43.1@475,2141.5 ; C44.2@475,2222.83 U3.5@536.61,2222.83
NetC44_1: C44.1 C46.2 R54.2 U3.6 | length 397.1
  Layer 4 - Bottom Layer w10: R54.2@281.5,2135 427.99,2281.5 C44.1@475,2281.5 476.5,2280 C46.2@543.5,2280 562.2,2261.3 U3.6@562.2,2214
NetC47_2: C47.2 D8.1 D13.3 Q12.4 R44.2 R59.1 R60.2 R66.2 R80.2 TP29.1 | length 2585.5
  Layer 1 - Top Layer w20: Q12.4@664.5,3445 v1(664.5,3475) ; v1(725,2555) 725,2651.5 R59.1@728.5,2655 R66.2@728.5,2710 C47.2@728.5,2765 735,2771.5 735,2829.47 D8.1@740.53,2835 745,2839.47 TP29.1@745,2930
  Layer 4 - Bottom Layer w20: v1(664.5,3475) 745,3394.5 TP29.1@745,2930 796.5,2930 R44.2@820,2906.5 ; v1(725,2555) R60.2@725,2451.5 863.5,2451.5 900,2415 900,1385 867.4,1352.4 D13.3@728,1352.4
NetC48_1: C48.1 C50.2 R72.2 U4.4 | length 1290.7
  Layer 4 - Bottom Layer w10: R72.2@281.5,1860 281.5,1811.5 260,1790 110,1790 75,1755 75,1430 100,1405 490,1405 518.5,1433.5 C48.1@518.5,1520 536.61,1538.11 U4.4@536.61,1577.17 ; C50.2@475,1577.17 U4.4@536.61,1577.17 ; U4.4@536.61,1586 U4.4@536.61,1577.17
NetC48_2: C48.2 R69.2 U4.2 U4.3 | length 1511.7
  Layer 4 - Bottom Layer w10: R69.2@281.5,1995 281.5,1946.5 260,1925 110,1925 50,1865 50,1415 85,1380 535,1380 581.5,1426.5 C48.2@581.5,1520 562.2,1539.29 U4.3@562.2,1577.17 ; U4.3@563,1577.17 U4.2@587,1577.17
NetC49_2: C49.2 R67.2 U4.1 | length 128.2
  Layer 4 - Bottom Layer w10: U4.1@612.4,1577.17 R67.2@740.57,1577.17
NetC50_1: C50.1 C51.2 R75.2 U4.5 | length 332.7
  Layer 1 - Top Layer w10: v1(321.5,1720) v1(435,1720)
  Layer 4 - Bottom Layer w10: R75.2@281.5,1720 v1(321.5,1720) ; v1(435,1720) 473.5,1720 C51.2@475,1718.5 C50.1@475,1641.5 ; C51.2@475,1722.83 U4.5@536.61,1722.83
NetC51_1: C51.1 C52.2 R78.2 U4.6 | length 562.1
  Layer 4 - Bottom Layer w10: R78.2@281.5,1465 281.5,1626.5 436.5,1781.5 C51.1@475,1781.5 476.5,1780 C52.2@543.5,1780 562.2,1761.3 U4.6@562.2,1714
NetC53_1: C53.1 C55.2 R84.2 U5.4 | length 1193.1
  Layer 4 - Bottom Layer w10: R84.2@281.5,1190 281.5,1141.5 260,1120 110,1120 75,1085 75,890 105,860 465,860 520,915 520,1021.5 536.61,1038.11 U5.4@536.61,1077.17 ; C55.2@475,1077.17 U5.4@536.61,1077.17 ; U5.4@536.61,1086 U5.4@536.61,1077.17
NetC53_2: C53.2 R83.2 U5.2 U5.3 | length 1428.7
  Layer 4 - Bottom Layer w10: R83.2@281.5,1325 281.5,1276.5 260,1255 110,1255 50,1195 50,875 90,835 535,835 581.5,881.5 C53.2@581.5,1020 562.2,1039.29 U5.3@562.2,1077.17 ; U5.3@563,1077.17 U5.2@587,1077.17
NetC54_2: C54.2 R81.2 U5.1 | length 128.2
  Layer 4 - Bottom Layer w10: U5.1@612.4,1077.17 R81.2@740.57,1077.17
NetC55_1: C55.1 C56.2 R85.2 U5.5 | length 426.6
  Layer 1 - Top Layer w10: v1(281.5,1090) 411.5,1220 v1(435,1220)
  Layer 4 - Bottom Layer w10: R85.2@281.5,1050 v1(281.5,1090) ; v1(435,1220) 473.5,1220 C56.2@475,1218.5 C55.1@475,1141.5 ; C56.2@475,1222.83 U5.5@536.61,1222.83
NetC56_1: C56.1 C57.2 R86.2 U5.6 | length 617.1
  Layer 4 - Bottom Layer w10: R86.2@281.5,910 380,1008.5 380,1225 436.5,1281.5 C56.1@475,1281.5 476.5,1280 C57.2@543.5,1280 562.2,1261.3 U5.6@562.2,1214
NetC61_1: C61.1 U11.20 | length 83.3
  Layer 1 - Top Layer w8: C61.1@3926.38,1335 3935,1326.38 3935,1318.15 3957.99,1295.16 U11.20@3957.99,1264.76
NetC67_1: C67.1 U11.67 | length 129.1
  Layer 1 - Top Layer w10: v1(4330,950) 4348.9,931.1 U11.67@4409.76,931.1
  Layer 4 - Bottom Layer w10: v1(4330,950) 4366.38,950 C67.1@4370,946.38
NetC71_1: C71.1 Q1.2 Q1.4 R9.1 R10.1
NetD1_1: D1.1 R1.2 | length 80.8
  Layer 1 - Top Layer w20: R1.2@3065,1528.5 v1(3100,1528.5)
  Layer 4 - Bottom Layer w20: v1(3100,1528.5) 3142.97,1528.5 D1.1@3145,1530.53
NetD2_1: D2.1 R5.2 R6.2
NetD3_1: D3.1 R45.2 | length 118
  Layer 1 - Top Layer w20: D3.1@325,3563.5 325,3522.91 372.09,3475.83 R45.2@372.09,3465